# Altium PCB EBS V3.0.PcbDoc (part 1 of 4) (continued)
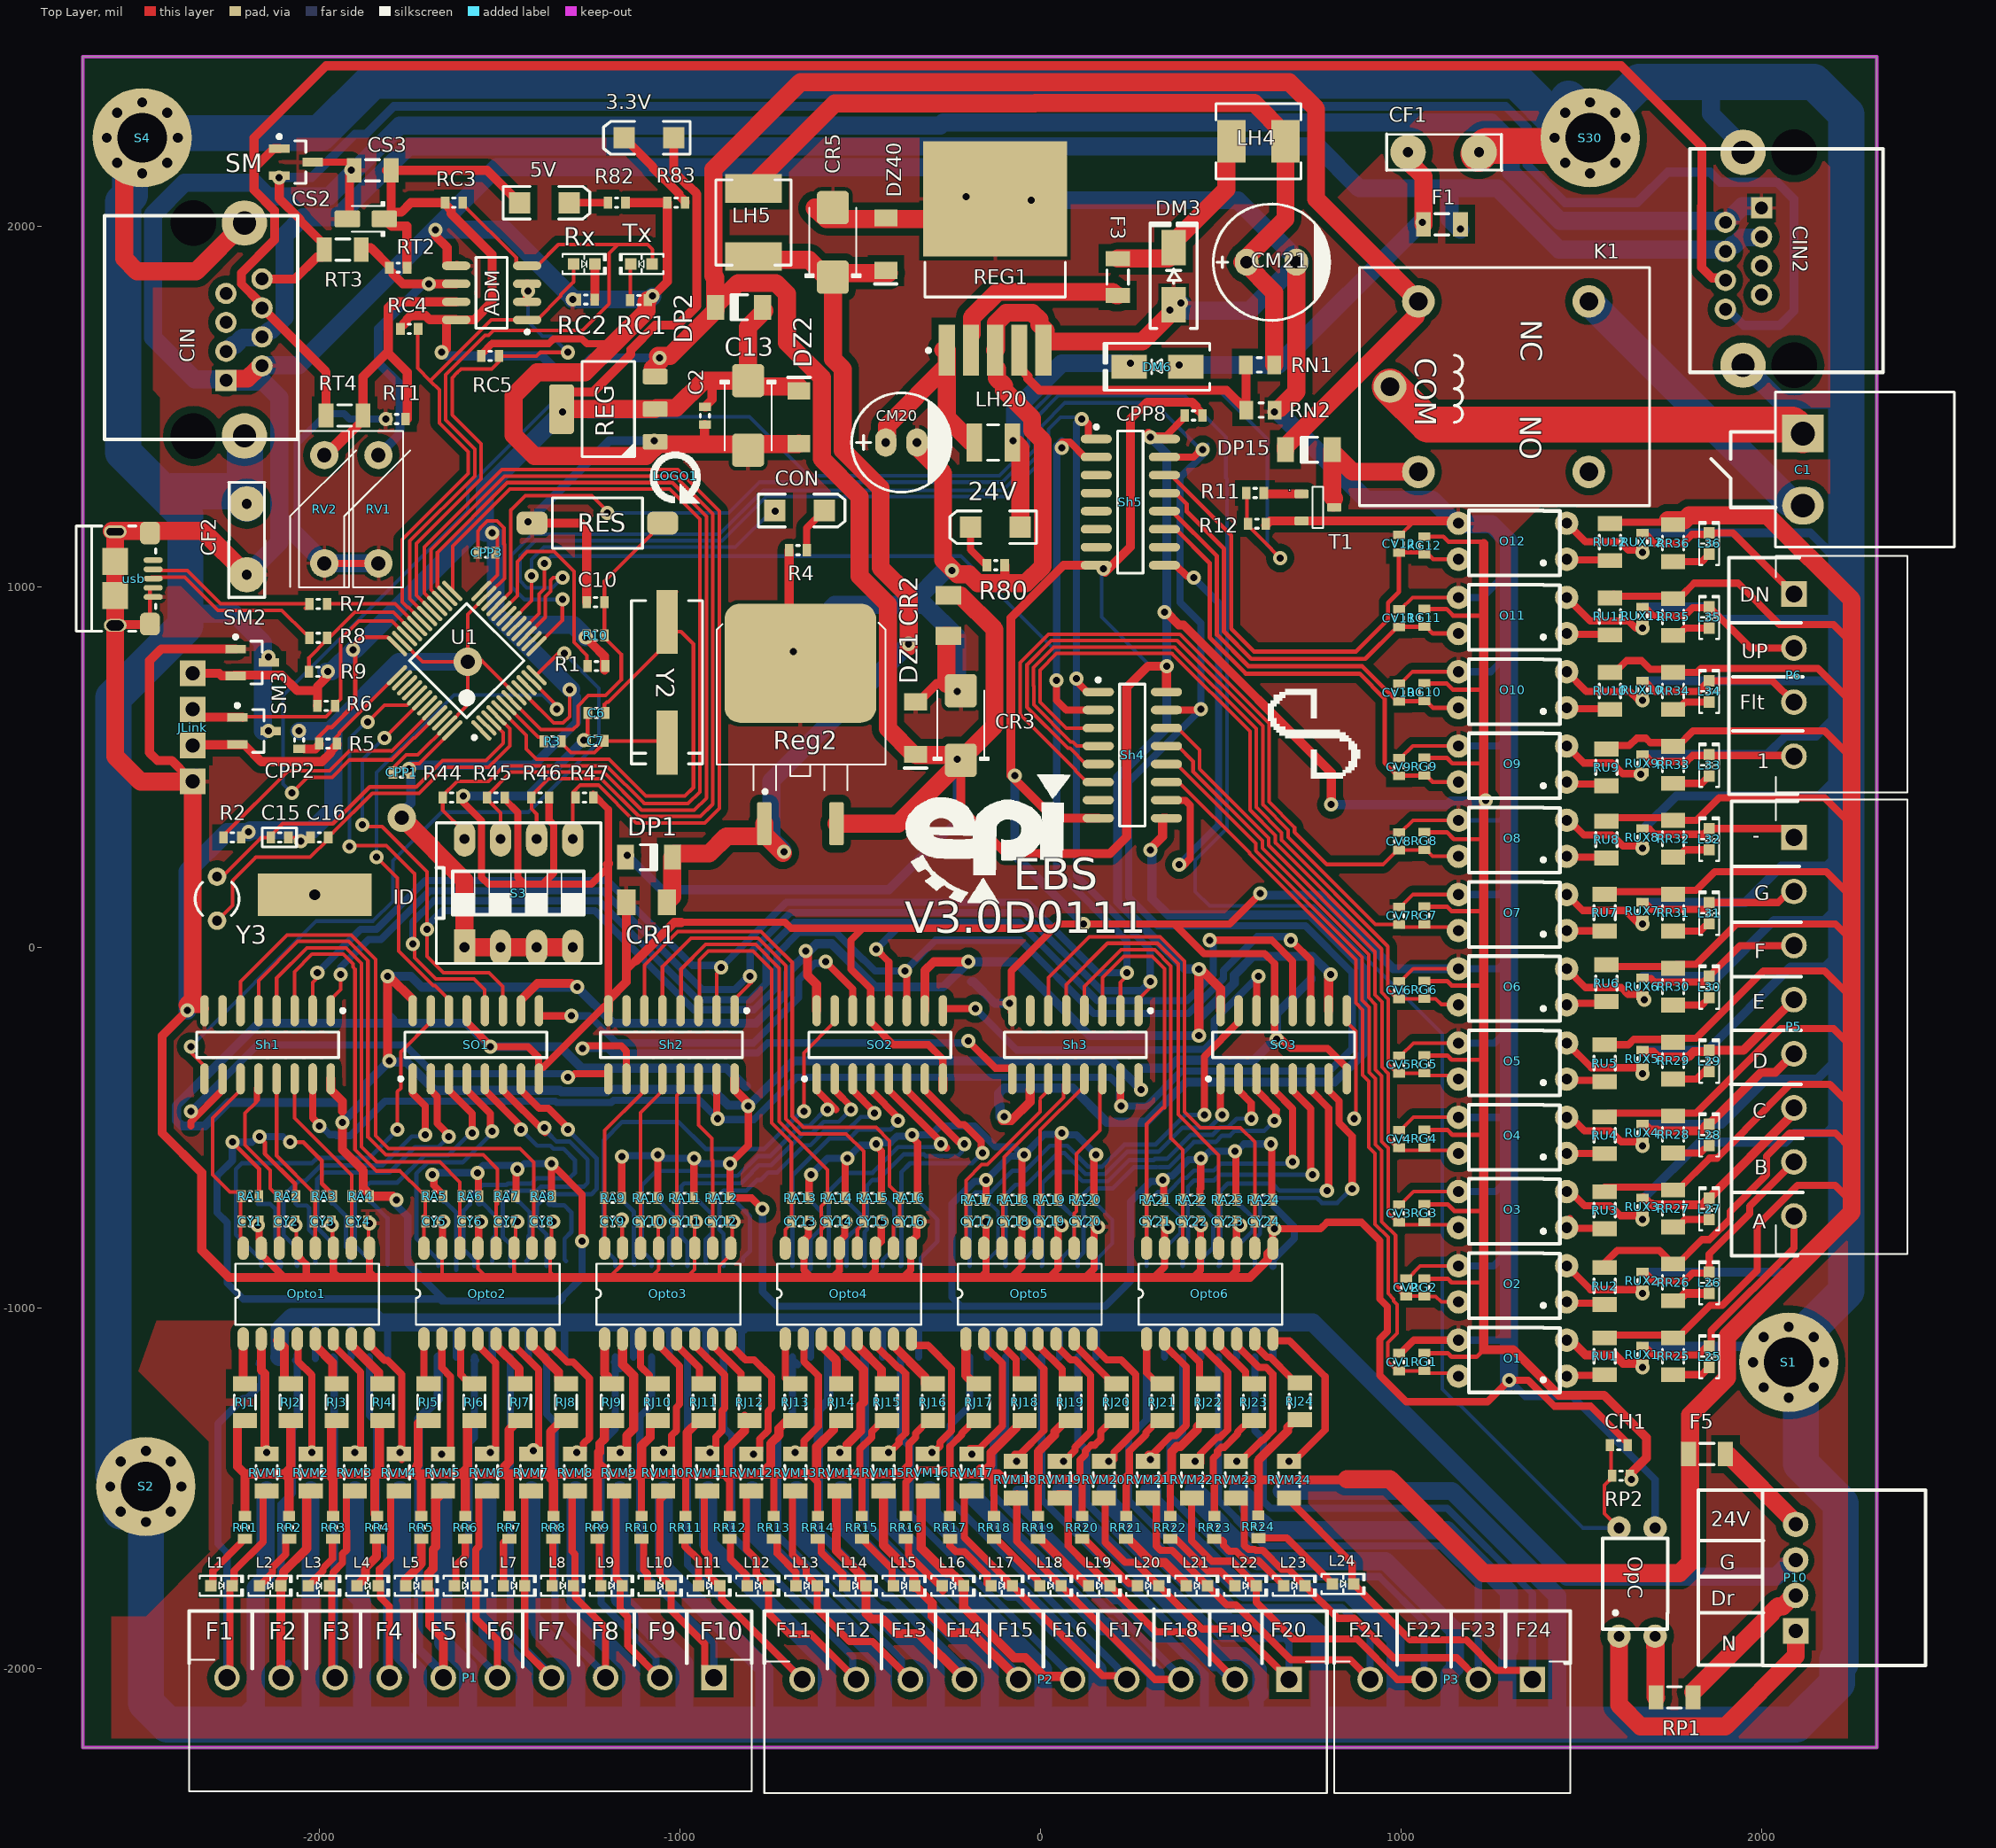
[diagram p0: Top Layer view]
## Components (designator, comment, footprint, x,y, rotation, side; value= is the part's Value field where it differs from the comment) (continued)
ADM "ADM485" SO8_NARROW_N -1521.03,1815 r180 top
C1 "Header 2" "phonix 2pin right 5.08" 2115,1325 r0 top
C2 "100nF" SMD_CAP_0603 -930,1474.5 r90 top
C6 "20pF" SMD_CAP_0603 -1230,650 r180 top
C7 "20pF" SMD_CAP_0603 -1232.81,572.3 r180 top
C10 "1uF" SMD_CAP_0603 -1232.81,957 r180 top
C13 "100uF" CAPMP6032X280N -810,1475 r270 top
C15 "1uF" CAP-0603 -2109.18,304.77 r0 top
C16 "10pF" SMD_CAP_0603 -1998.84,304.77 r0 top
CF1 "2.2nF" "Cap 10nF" 1216.85,2205 r180 top
CF2 "2.2nF" "Cap 10nF" -2200,1033.15 r90 top
CH1 "1uF" SMD_CAP_0603 1604.5,-1380 r180 top
CIN "CN_MODJACK_8P" "CN_RJ45_TYCO_ DY122-8P8C-G" -2348.3,2008.7 r270 top
CIN2 "CN_MODJACK_8P" "CN_RJ45_TYCO_ DY122-8P8C-G" 2090.55,1614.41 r90 top
CM20 "100uF" "cap 02" -385,1400 r180 top
CM21 "2000uF" "cap 03" 641.1,1900 r180 top
CON "RED" "LED SMD 1206" -667.55,1211.48 r0 top
CPP1 "100nF" SMD_CAP_0603 -1770.5,485 r180 top
CPP2 "100nF" SMD_CAP_0603 -2055,575 r90 top
CPP3 "100nF" SMD_CAP_0603 -1535,1095 r180 top
CPP5 "100nF" SMD_CAP_0603 -815,-410 r270 bottom
CPP6 "100nF" SMD_CAP_0603 -1810,-105 r90 bottom
CPP7 "100nF" SMD_CAP_0603 320.5,785 r0 bottom
CPP8 "100nF" SMD_CAP_0603 425,1475 r180 top
CPP9 "100nF" SMD_CAP_0603 775.5,-85 r0 bottom
CPP10 "100nF" SMD_CAP_0603 -1940,-454.5 r270 bottom
CPP11 "100nF" SMD_CAP_0603 -190,-70 r90 bottom
CPP12 "100nF" SMD_CAP_0603 280,-359.5 r270 bottom
CQQ1 "100nF" SMD_CAP_1206 -2145,-1402.8 r270 bottom
CQQ2 "100nF" SMD_CAP_1206 -2022.61,-1402.8 r270 bottom
CQQ3 "100nF" SMD_CAP_1206 -1900.22,-1402.8 r270 bottom
CQQ4 "100nF" SMD_CAP_1206 -1777.83,-1402.8 r270 bottom
CQQ5 "100nF" SMD_CAP_1206 -1655.43,-1402.8 r270 bottom
CQQ6 "100nF" SMD_CAP_1206 -1533.04,-1402.8 r270 bottom
CQQ7 "100nF" SMD_CAP_1206 -1410.65,-1402.8 r270 bottom
CQQ8 "100nF" SMD_CAP_1206 -1288.26,-1402.8 r270 bottom
CQQ9 "100nF" SMD_CAP_1206 -1165.87,-1402.8 r270 bottom
CQQ10 "100nF" SMD_CAP_1206 -1043.48,-1402.8 r270 bottom
CQQ11 "100nF" SMD_CAP_1206 -921.09,-1402.8 r270 bottom
CQQ12 "100nF" SMD_CAP_1206 -798.7,-1402.8 r270 bottom
CQQ13 "100nF" SMD_CAP_1206 -676.3,-1402.8 r270 bottom
CQQ14 "100nF" SMD_CAP_1206 -553.91,-1402.8 r270 bottom
CQQ15 "100nF" SMD_CAP_1206 -431.52,-1402.8 r270 bottom
CQQ16 "100nF" SMD_CAP_1206 -309.13,-1402.8 r270 bottom
CQQ17 "100nF" SMD_CAP_1206 -186.74,-1402.8 r270 bottom
CQQ18 "100nF" SMD_CAP_1206 -64.35,-1402.8 r270 bottom
CQQ19 "100nF" SMD_CAP_1206 58.04,-1402.8 r270 bottom
CQQ20 "100nF" SMD_CAP_1206 180.43,-1402.8 r270 bottom
CQQ21 "100nF" SMD_CAP_1206 302.83,-1402.8 r270 bottom
CQQ22 "100nF" SMD_CAP_1206 425.22,-1402.8 r270 bottom
CQQ23 "100nF" SMD_CAP_1206 547.61,-1402.8 r270 bottom
CQQ24 "100nF" SMD_CAP_1206 670,-1405 r270 bottom
CQQ25 "100nF" SMD_CAP_0603 1670,-1130 r270 bottom
CQQ26 "100nF" SMD_CAP_0603 1670,-925 r270 bottom
CQQ27 "100nF" SMD_CAP_0603 1670,-720 r270 bottom
CQQ28 "100nF" SMD_CAP_0603 1670,-515 r270 bottom
CQQ29 "100nF" SMD_CAP_0603 1670,-310 r270 bottom
CQQ30 "100nF" SMD_CAP_0603 1670,-105 r270 bottom
CQQ31 "100nF" SMD_CAP_0603 1670,100 r270 bottom
CQQ32 "100nF" SMD_CAP_0603 1670,305 r270 bottom
CQQ33 "100nF" SMD_CAP_0603 1670,510 r270 bottom
CQQ34 "100nF" SMD_CAP_0603 1670,715 r270 bottom
CQQ35 "100nF" SMD_CAP_0603 1670,920 r270 bottom
CQQ36 "100nF" SMD_CAP_0603 1670,1125 r270 bottom
CR1 "330nF" 1206 -1091.44,125 r180 top
CR2 "100nF" 1206 -255,920 r270 top
CR3 "100uF" CAPMP6032X280N -220,615.44 r90 top
CR5 "100uF" CAPMP6032X280N -575,1955 r90 top
CS2 "10uF" CAPMP3216X180N -1870,2020 r180 top
CS3 "100nF" SMD_CAP_1206 -1800,2155 r180 top
CV1 "1uF" SMD_CAP_0603 995,-1150 r270 top
CV2 "1uF" SMD_CAP_0603 1015,-942.6 r270 top
CV3 "1uF" SMD_CAP_0603 995,-737.33 r270 top
CV4 "1uF" SMD_CAP_0603 995,-531 r270 top
CV5 "1uF" SMD_CAP_0603 995,-324.67 r270 top
CV6 "1uF" SMD_CAP_0603 995,-118.33 r270 top
CV7 "1uF" SMD_CAP_0603 995,88 r270 top
CV8 "1uF" SMD_CAP_0603 995,294.33 r270 top
CV9 "1uF" SMD_CAP_0603 995,500.67 r270 top
CV10 "1uF" SMD_CAP_0603 995,707 r270 top
CV11 "1uF" SMD_CAP_0603 995,913.33 r270 top
CV12 "1uF" SMD_CAP_0603 995,1119.67 r270 top
CY1 "10uF" SMD_CAP_0603 -2190,-760 r180 top
CY2 "10uF" SMD_CAP_0603 -2090,-760 r180 top
CY3 "10uF" SMD_CAP_0603 -1990,-760 r180 top
CY4 "10uF" SMD_CAP_0603 -1890,-760 r180 top
CY5 "10uF" SMD_CAP_0603 -1680,-760 r180 top
CY6 "10uF" SMD_CAP_0603 -1580,-760 r180 top
CY7 "10uF" SMD_CAP_0603 -1480,-760 r180 top
CY8 "10uF" SMD_CAP_0603 -1380,-760 r180 top
CY9 "10uF" SMD_CAP_0603 -1185,-760 r180 top
CY10 "10uF" SMD_CAP_0603 -1085,-760 r180 top
CY11 "10uF" SMD_CAP_0603 -985,-760 r180 top
CY12 "10uF" SMD_CAP_0603 -885,-760 r180 top
CY13 "10uF" SMD_CAP_0603 -665,-760 r180 top
CY14 "10uF" SMD_CAP_0603 -565,-760 r180 top
CY15 "10uF" SMD_CAP_0603 -465,-760 r180 top
CY16 "10uF" SMD_CAP_0603 -365,-760 r180 top
CY17 "10uF" SMD_CAP_0603 -175,-760 r180 top
CY18 "10uF" SMD_CAP_0603 -75,-760 r180 top
CY19 "10uF" SMD_CAP_0603 25,-760 r180 top
CY20 "10uF" SMD_CAP_0603 125,-760 r180 top
CY21 "10uF" SMD_CAP_0603 320,-760 r180 top
CY22 "10uF" SMD_CAP_0603 420,-760 r180 top
CY23 "10uF" SMD_CAP_0603 520,-760 r180 top
CY24 "10uF" SMD_CAP_0603 620,-760 r180 top
DM3 "1N5822" "DO214AC SMA" 370,1861.26 r90 top
DM6 "1N5822" "DO214AC SMA" 325,1610 r180 top
DP1 "1N4148" LL4148 -1085,250 r0 top
DP2 "1N4148" LL4148 -835,1775 r180 top
DP15 "1N4148" LL4148 744.96,1380 r180 top
DZ1 "DZ5.6V 0.5W" Minimelf -345,607.96 r270 top
DZ2 "DZ3.6V 0.5W" Minimelf -670,1470 r90 top
DZ40 "DZ9.1V 0.5W" Minimelf -427.38,1950 r270 top
F1 "Fuse 0.5A 1206" "Fuse SMD 1206" 1110,2010 r180 top
F3 "Fuse 1A 1206" "Fuse SMD 1206" 210,1855 r270 top
F5 "Fuse 1A 1206" "Fuse SMD 1206" 1845,-1400 r180 top
JLink "Header Male Right 1x4" "Header 1x4 male rightangle" -2350,560 r90 top
K1 "Relay" "Relay 20x16x20 HJR" 970,1555 r270 top
L1 "RED" "LED 0603/1608 RED" -2270.47,-1770 r0 top
L2 "RED" "LED 0603/1608 RED" -2135.23,-1770 r0 top
L3 "RED" "LED 0603/1608 RED" -2000,-1770 r0 top
L4 "RED" "LED 0603/1608 RED" -1864.76,-1770 r0 top
L5 "RED" "LED 0603/1608 RED" -1729.52,-1770 r0 top
L6 "RED" "LED 0603/1608 RED" -1594.28,-1770 r0 top
L7 "RED" "LED 0603/1608 RED" -1459.05,-1770 r0 top
L8 "RED" "LED 0603/1608 RED" -1323.81,-1770 r0 top
L9 "RED" "LED 0603/1608 RED" -1188.57,-1770 r0 top
L10 "RED" "LED 0603/1608 RED" -1053.33,-1770 r0 top
L11 "RED" "LED 0603/1608 RED" -918.09,-1770 r0 top
L12 "RED" "LED 0603/1608 RED" -782.86,-1770 r0 top
L13 "RED" "LED 0603/1608 RED" -647.62,-1770 r0 top
L14 "RED" "LED 0603/1608 RED" -512.38,-1770 r0 top
L15 "RED" "LED 0603/1608 RED" -377.14,-1770 r0 top
L16 "RED" "LED 0603/1608 RED" -241.9,-1770 r0 top
L17 "RED" "LED 0603/1608 RED" -106.67,-1770 r0 top
L18 "RED" "LED 0603/1608 RED" 28.57,-1770 r0 top
L19 "RED" "LED 0603/1608 RED" 163.81,-1770 r0 top
L20 "RED" "LED 0603/1608 RED" 299.05,-1770 r0 top
L21 "RED" "LED 0603/1608 RED" 434.29,-1770 r0 top
L22 "RED" "LED 0603/1608 RED" 569.52,-1770 r0 top
L23 "RED" "LED 0603/1608 RED" 704.76,-1770 r0 top
L24 "RED" "LED 0603/1608 RED" 840,-1765 r0 top
L25 "RED" "LED 0603/1608 RED" 1855,-1135 r90 top
L26 "RED" "LED 0603/1608 RED" 1855,-930 r90 top
L27 "RED" "LED 0603/1608 RED" 1855,-725 r90 top
L28 "RED" "LED 0603/1608 RED" 1855,-520 r90 top
L29 "RED" "LED 0603/1608 RED" 1855,-315 r90 top
L30 "RED" "LED 0603/1608 RED" 1855,-110 r90 top
L31 "RED" "LED 0603/1608 RED" 1855,95 r90 top
L32 "RED" "LED 0603/1608 RED" 1855,300 r90 top
L33 "RED" "LED 0603/1608 RED" 1855,505 r90 top
L34 "RED" "LED 0603/1608 RED" 1855,710 r90 top
L35 "RED" "LED 0603/1608 RED" 1855,915 r90 top
L36 "RED" "LED 0603/1608 RED" 1855,1120 r90 top
LH4 "Inductor" "CD45 SMD Inductor" 605.2,2235 r0 top value=100uH3A
LH5 "Inductor" "HPC6045 SMD INDUCTOR" -795,2010 r270 top value=22uH3A
LH20 "Inductor" "RES 1210 (3226X07L)" -130,1400 r180 top value=2.2uH
LOGO1 "Warning!" "LOGO RESET" -1012.03,1306.75 r90 top
O1 "TLP521" PS2501-1 1160,-1188.98 r90 top
O2 "TLP521" PS2501-1 1160,-983.04 r90 top
O3 "TLP521" PS2501-1 1160,-777.11 r90 top
O4 "TLP521" PS2501-1 1160,-571.18 r90 top
O5 "TLP521" PS2501-1 1160,-365.25 r90 top
O6 "TLP521" PS2501-1 1160,-159.32 r90 top
O7 "TLP521" PS2501-1 1160,46.61 r90 top
O8 "TLP521" PS2501-1 1160,252.55 r90 top
O9 "TLP521" PS2501-1 1160,458.48 r90 top
O10 "TLP521" PS2501-1 1160,664.41 r90 top
O11 "TLP521" PS2501-1 1160,870.34 r90 top
O12 "TLP521" PS2501-1 1160,1076.27 r90 top
OpC "PC814" PS2501-1 1605,-1610 r0 top
Opto1 "TLP281-4" SSOP16 -2060,-960 r90 top
Opto2 "TLP281-4" SSOP16 -1559,-960 r90 top
Opto3 "TLP281-4" SSOP16 -1058,-960 r90 top
Opto4 "TLP281-4" SSOP16 -557,-960 r90 top
Opto5 "TLP281-4" SSOP16 -56,-960 r90 top
Opto6 "TLP281-4" SSOP16 445,-960 r90 top
OptoO1 "TLP281-4" SSOP16 -2010,-1010 r270 bottom
OptoO2 "TLP281-4" SSOP16 -1519,-1010 r270 bottom
OptoO3 "TLP281-4" SSOP16 -1028,-1010 r270 bottom
OptoO4 "TLP281-4" SSOP16 -537,-1010 r270 bottom
OptoO5 "TLP281-4" SSOP16 -46,-1010 r270 bottom
OptoO6 "TLP281-4" SSOP16 445,-1010 r270 bottom
P1 "XH10MR" "phonix 10pin right 3.81" -905,-2025 r270 top
P2 "XH10MR" "phonix 10pin right 3.81" 690,-2030 r270 top
P3 "XH4MR" "phonix 4pin right 3.81" 1365,-2030 r270 top
P5 "XH8MR" "phonix 8pin right 3.81" 2090,305 r0 top
P6 "XH4MR" "phonix 4pin right 3.81" 2090,980 r0 top
P10 "XH4MR" CN_JST-B4B-S_XH 2095,-1895.28 r270 top
R1 "10K" "RES 0603 (1608X06L)" -1206.01,780 r180 top
R2 "10K" "RES 0603 (1608X06L)" -2265,305 r0 top
R3 "390" "RES 0603 (1608X06L)" -1376.44,571.48 r0 top
R4 "500" "RES 0603 (1608X06L)" -696.29,1101.48 r0 top
R5 "10K" "RES 0603 (1608X06L)" -1998.99,565 r0 top
R6 "10K" "RES 0603 (1608X06L)" -1955.34,670 r180 top
R7 "20R" "RES 0603 (1608X06L)" -1977.61,952.44 r180 top
R8 "20R" "RES 0603 (1608X06L)" -1977.61,858.43 r180 top
R9 "1.5K" "RES 0603 (1608X06L)" -2027.61,764.42 r0 top
R10 "10K" "RES 0603 (1608X06L)" -1257.61,865.04 r0 top
R11 "4.7K" "RES 0603 (1608X06L)" 620,1260 r180 top
R12 "47K" "RES 0603 (1608X06L)" 625,1175 r180 top
R44 "10K" "RES 0603 (1608X06L)" -1607.75,415.53 r180 top
R45 "10K" "RES 0603 (1608X06L)" -1484.77,415.53 r180 top
R46 "10K" "RES 0603 (1608X06L)" -1361.79,415.53 r180 top
R47 "10K" "RES 0603 (1608X06L)" -1238.81,415.53 r180 top
R80 "5K" "RES 0603 (1608X06L)" -98.65,1059.76 r180 top
R82 "1K" "RES 0603 (1608X06L)" -1150,2065 r180 top
R83 "500" "RES 0603 (1608X06L)" -1033.99,2065 r0 top
RA1 "10K" "RES 0603 (1608X06L)" -2166.01,-690 r180 top
RA2 "10K" "RES 0603 (1608X06L)" -2064.01,-690 r180 top
RA3 "10K" "RES 0603 (1608X06L)" -1962,-690 r180 top
RA4 "10K" "RES 0603 (1608X06L)" -1860,-690 r180 top
RA5 "10K" "RES 0603 (1608X06L)" -1656.01,-690 r180 top
RA6 "10K" "RES 0603 (1608X06L)" -1555.67,-690 r180 top
RA7 "10K" "RES 0603 (1608X06L)" -1455.34,-690 r180 top
RA8 "10K" "RES 0603 (1608X06L)" -1355,-690 r180 top
RA9 "10K" "RES 0603 (1608X06L)" -1161.01,-695 r180 top
RA10 "10K" "RES 0603 (1608X06L)" -1060.67,-695 r180 top
RA11 "10K" "RES 0603 (1608X06L)" -960.34,-695 r180 top
RA12 "10K" "RES 0603 (1608X06L)" -860,-695 r180 top
RA13 "10K" "RES 0603 (1608X06L)" -641.01,-695 r180 top
RA14 "10K" "RES 0603 (1608X06L)" -540.67,-695 r180 top
RA15 "10K" "RES 0603 (1608X06L)" -440.34,-695 r180 top
RA16 "10K" "RES 0603 (1608X06L)" -340,-695 r180 top
RA17 "10K" "RES 0603 (1608X06L)" -151.01,-700 r180 top
RA18 "10K" "RES 0603 (1608X06L)" -51.01,-700 r180 top
RA19 "10K" "RES 0603 (1608X06L)" 48.99,-700 r180 top
RA20 "10K" "RES 0603 (1608X06L)" 148.99,-700 r180 top
RA21 "10K" "RES 0603 (1608X06L)" 343.99,-700 r180 top
RA22 "10K" "RES 0603 (1608X06L)" 443.99,-700 r180 top
RA23 "10K" "RES 0603 (1608X06L)" 543.99,-700 r180 top
RA24 "10K" "RES 0603 (1608X06L)" 643.99,-700 r180 top
RC1 "510" "RES 0603 (1608X06L)" -1087.68,1795 r180 top
RC2 "510" "RES 0603 (1608X06L)" -1284.36,1796.59 r0 top
RC3 "10k" "RES 0603 (1608X06L)" -1601.01,2065 r180 top
RC4 "10k" "RES 0603 (1608X06L)" -1725,1715 r180 top
RC5 "10k" "RES 0603 (1608X06L)" -1500.6,1639.93 r180 top
REG "AMS1117-3.3" SOT223 -1197.53,1492.62 r180 top
REG1 "LM2576-Adj" TO-263-5 -125,1910 r90 top
Reg2 "L7805" D2PAK-3 -665,565.54 r270 top value=variable
RES "Button" "TE FSMSMTR" -1227.97,1176.48 r90 top
RF1 "1K" "RES 0603 (1608X06L)" -2170,-711.01 r270 bottom
RF2 "1K" "RES 0603 (1608X06L)" -2065,-710 r270 bottom
RF3 "1K" "RES 0603 (1608X06L)" -1965,-710 r270 bottom
RF4 "1K" "RES 0603 (1608X06L)" -1860,-706.01 r270 bottom
RF5 "1K" "RES 0603 (1608X06L)" -1655,-705 r270 bottom
RF6 "1K" "RES 0603 (1608X06L)" -1550,-710 r270 bottom
RF7 "1K" "RES 0603 (1608X06L)" -1450,-705 r270 bottom
RF8 "1K" "RES 0603 (1608X06L)" -1355,-710 r270 bottom
RF9 "1K" "RES 0603 (1608X06L)" -1165,-700 r270 bottom
RF10 "1K" "RES 0603 (1608X06L)" -1060,-705 r270 bottom
RF11 "1K" "RES 0603 (1608X06L)" -955,-700 r270 bottom
RF12 "1K" "RES 0603 (1608X06L)" -855,-700 r270 bottom
RF13 "1K" "RES 0603 (1608X06L)" -640,-705 r270 bottom
RF14 "1K" "RES 0603 (1608X06L)" -540,-705 r270 bottom
RF15 "1K" "RES 0603 (1608X06L)" -440,-705 r270 bottom
RF16 "1K" "RES 0603 (1608X06L)" -340,-705 r270 bottom
RF17 "1K" "RES 0603 (1608X06L)" -150,-705 r270 bottom
RF18 "1K" "RES 0603 (1608X06L)" -45,-710 r270 bottom
RF19 "1K" "RES 0603 (1608X06L)" 55,-715 r270 bottom
RF20 "1K" "RES 0603 (1608X06L)" 155,-715 r270 bottom
RF21 "1K" "RES 0603 (1608X06L)" 350,-715 r270 bottom
RF22 "1K" "RES 0603 (1608X06L)" 440,-715 r270 bottom
RF23 "1K" "RES 0603 (1608X06L)" 550,-715 r270 bottom
RF24 "1K" "RES 0603 (1608X06L)" 640,-721.01 r270 bottom
RG1 "20K" "RES 0603 (1608X06L)" 1065,-1173.99 r90 top
RG2 "20K" "RES 0603 (1608X06L)" 1065,-967.66 r90 top
RG3 "20K" "RES 0603 (1608X06L)" 1065,-761.33 r90 top
RG4 "20K" "RES 0603 (1608X06L)" 1065,-554.99 r90 top
RG5 "20K" "RES 0603 (1608X06L)" 1065,-348.66 r90 top
RG6 "20K" "RES 0603 (1608X06L)" 1065,-142.33 r90 top
RG7 "20K" "RES 0603 (1608X06L)" 1065,64.01 r90 top
RG8 "20K" "RES 0603 (1608X06L)" 1065,270.34 r90 top
RG9 "20K" "RES 0603 (1608X06L)" 1065,476.67 r90 top
RG10 "20K" "RES 0603 (1608X06L)" 1065,683.01 r90 top
RG11 "20K" "RES 0603 (1608X06L)" 1065,889.34 r90 top
RG12 "20K" "RES 0603 (1608X06L)" 1065,1090 r90 top
RJ1 "3K" "RES 1206 (3216X08L)" -2205,-1210 r270 top
RJ2 "3K" "RES 1206 (3216X08L)" -2077.83,-1210 r270 top
RJ3 "3K" "RES 1206 (3216X08L)" -1950.65,-1210 r270 top
RJ4 "3K" "RES 1206 (3216X08L)" -1823.48,-1210 r270 top
RJ5 "3K" "RES 1206 (3216X08L)" -1696.3,-1210 r270 top
RJ6 "3K" "RES 1206 (3216X08L)" -1569.13,-1210 r270 top
RJ7 "3K" "RES 1206 (3216X08L)" -1441.96,-1210 r270 top
RJ8 "3K" "RES 1206 (3216X08L)" -1314.78,-1210 r270 top
RJ9 "3K" "RES 1206 (3216X08L)" -1187.61,-1210 r270 top
RJ10 "3K" "RES 1206 (3216X08L)" -1060.43,-1210 r270 top
RJ11 "3K" "RES 1206 (3216X08L)" -933.26,-1210 r270 top
RJ12 "3K" "RES 1206 (3216X08L)" -806.09,-1210 r270 top
RJ13 "3K" "RES 1206 (3216X08L)" -678.91,-1210 r270 top
RJ14 "3K" "RES 1206 (3216X08L)" -551.74,-1210 r270 top
RJ15 "3K" "RES 1206 (3216X08L)" -424.57,-1210 r270 top
RJ16 "3K" "RES 1206 (3216X08L)" -297.39,-1210 r270 top
RJ17 "3K" "RES 1206 (3216X08L)" -170.22,-1210 r270 top
RJ18 "3K" "RES 1206 (3216X08L)" -43.04,-1210 r270 top
RJ19 "3K" "RES 1206 (3216X08L)" 84.13,-1210 r270 top
RJ20 "3K" "RES 1206 (3216X08L)" 211.3,-1210 r270 top
RJ21 "3K" "RES 1206 (3216X08L)" 338.48,-1210 r270 top
RJ22 "3K" "RES 1206 (3216X08L)" 465.65,-1210 r270 top
RJ23 "3K" "RES 1206 (3216X08L)" 592.83,-1210 r270 top
RJ24 "3K" "RES 1206 (3216X08L)" 720,-1207.8 r270 top
RN1 "4.7K" "RES 0805" 648.74,1615 r180 top
RN2 "1K" "RES 0805" 571.26,1490 r0 top
RP1 "180K" "RES 1206 (3216X08L)" 1707.8,-2080 r0 top
RP2 "20K" "RES 0603 (1608X06L)" 1586.01,-1465 r0 top
RR1 "5K" "RES 0603" -2205,-1577.01 r270 top
RR2 "5K" "RES 0603" -2082.83,-1577.01 r270 top
RR3 "5K" "RES 0603" -1960.65,-1577.01 r270 top
RR4 "5K" "RES 0603" -1838.48,-1577.01 r270 top
RR5 "5K" "RES 0603" -1716.3,-1577.01 r270 top
RR6 "5K" "RES 0603" -1594.13,-1577.01 r270 top
RR7 "5K" "RES 0603" -1471.96,-1577.01 r270 top
RR8 "5K" "RES 0603" -1349.78,-1577.01 r270 top
RR9 "5K" "RES 0603" -1227.61,-1577.01 r270 top
RR10 "5K" "RES 0603" -1105.43,-1577.01 r270 top
RR11 "5K" "RES 0603" -983.26,-1577.01 r270 top
RR12 "5K" "RES 0603" -861.09,-1577.01 r270 top
RR13 "5K" "RES 0603" -738.91,-1577.01 r270 top
RR14 "5K" "RES 0603" -616.74,-1577.01 r270 top
RR15 "5K" "RES 0603" -494.57,-1577.01 r270 top
RR16 "5K" "RES 0603" -372.39,-1577.01 r270 top
RR17 "5K" "RES 0603" -250.22,-1577.01 r270 top
RR18 "5K" "RES 0603" -128.04,-1577.01 r270 top
RR19 "5K" "RES 0603" -5.87,-1577.01 r270 top
RR20 "5K" "RES 0603" 116.3,-1577.01 r270 top
RR21 "5K" "RES 0603" 238.48,-1577.01 r270 top
RR22 "5K" "RES 0603" 360.65,-1577.01 r270 top
RR23 "5K" "RES 0603" 482.83,-1577.01 r270 top
RR24 "5K" "RES 0603" 605,-1575 r270 top
RR25 "5K" "RES 1206 (3216X08L)" 1755,-1082.8 r270 top
RR26 "5K" "RES 1206 (3216X08L)" 1755,-877.8 r270 top
RR27 "5K" "RES 1206 (3216X08L)" 1755,-672.8 r270 top
RR28 "5K" "RES 1206 (3216X08L)" 1755,-467.8 r270 top
RR29 "5K" "RES 1206 (3216X08L)" 1755,-262.8 r270 top
RR30 "5K" "RES 1206 (3216X08L)" 1755,-57.8 r270 top
RR31 "5K" "RES 1206 (3216X08L)" 1755,147.2 r270 top
RR32 "5K" "RES 1206 (3216X08L)" 1755,352.2 r270 top
RR33 "5K" "RES 1206 (3216X08L)" 1755,557.2 r270 top
RR34 "5K" "RES 1206 (3216X08L)" 1755,762.2 r270 top
RR35 "5K" "RES 1206 (3216X08L)" 1755,967.2 r270 top
RR36 "5K" "RES 1206 (3216X08L)" 1755,1172.2 r270 top
RT1 "10K" "RES 0603 (1608X06L)" -1760,1465 r180 top
RT2 "10K" "RES 0603 (1608X06L)" -1755.64,1885 r180 top
RT3 "20" "RES 1206 (3216X08L)" -1985,1935 r0 top
RT4 "20" "RES 1206 (3216X08L)" -1980,1475 r0 top
RU1 "3K" "RES 1206 (3216X08L)" 1565,-1082.8 r270 top
RU2 "3K" "RES 1206 (3216X08L)" 1565,-887.8 r270 top
RU3 "3K" "RES 1206 (3216X08L)" 1565,-677.8 r270 top
RU4 "3K" "RES 1206 (3216X08L)" 1565,-470 r270 top
RU5 "3K" "RES 1206 (3216X08L)" 1565,-270 r270 top
RU6 "3K" "RES 1206 (3216X08L)" 1570,-47.8 r270 top
RU7 "3K" "RES 1206 (3216X08L)" 1565,147.2 r270 top
RU8 "3K" "RES 1206 (3216X08L)" 1570,350 r270 top
RU9 "3K" "RES 1206 (3216X08L)" 1570,550 r270 top